# Altium PCB 2-quilter-output.pcbdoc (part 4 of 17)
Units mil, origin at the board's own origin, x right, y up, seen from the top; angles counter-clockwise.
Board outline 2728 x 2217 mil, 8 copper layers (L1_TOP, L2_GND, L3_INNER1, L4_GND, L5_PWR, L6_PWR, L7_GND, L8_BOT), stack 48.64 mil thick; 230 components, 327 nets, 1592 pads, 995 vias.
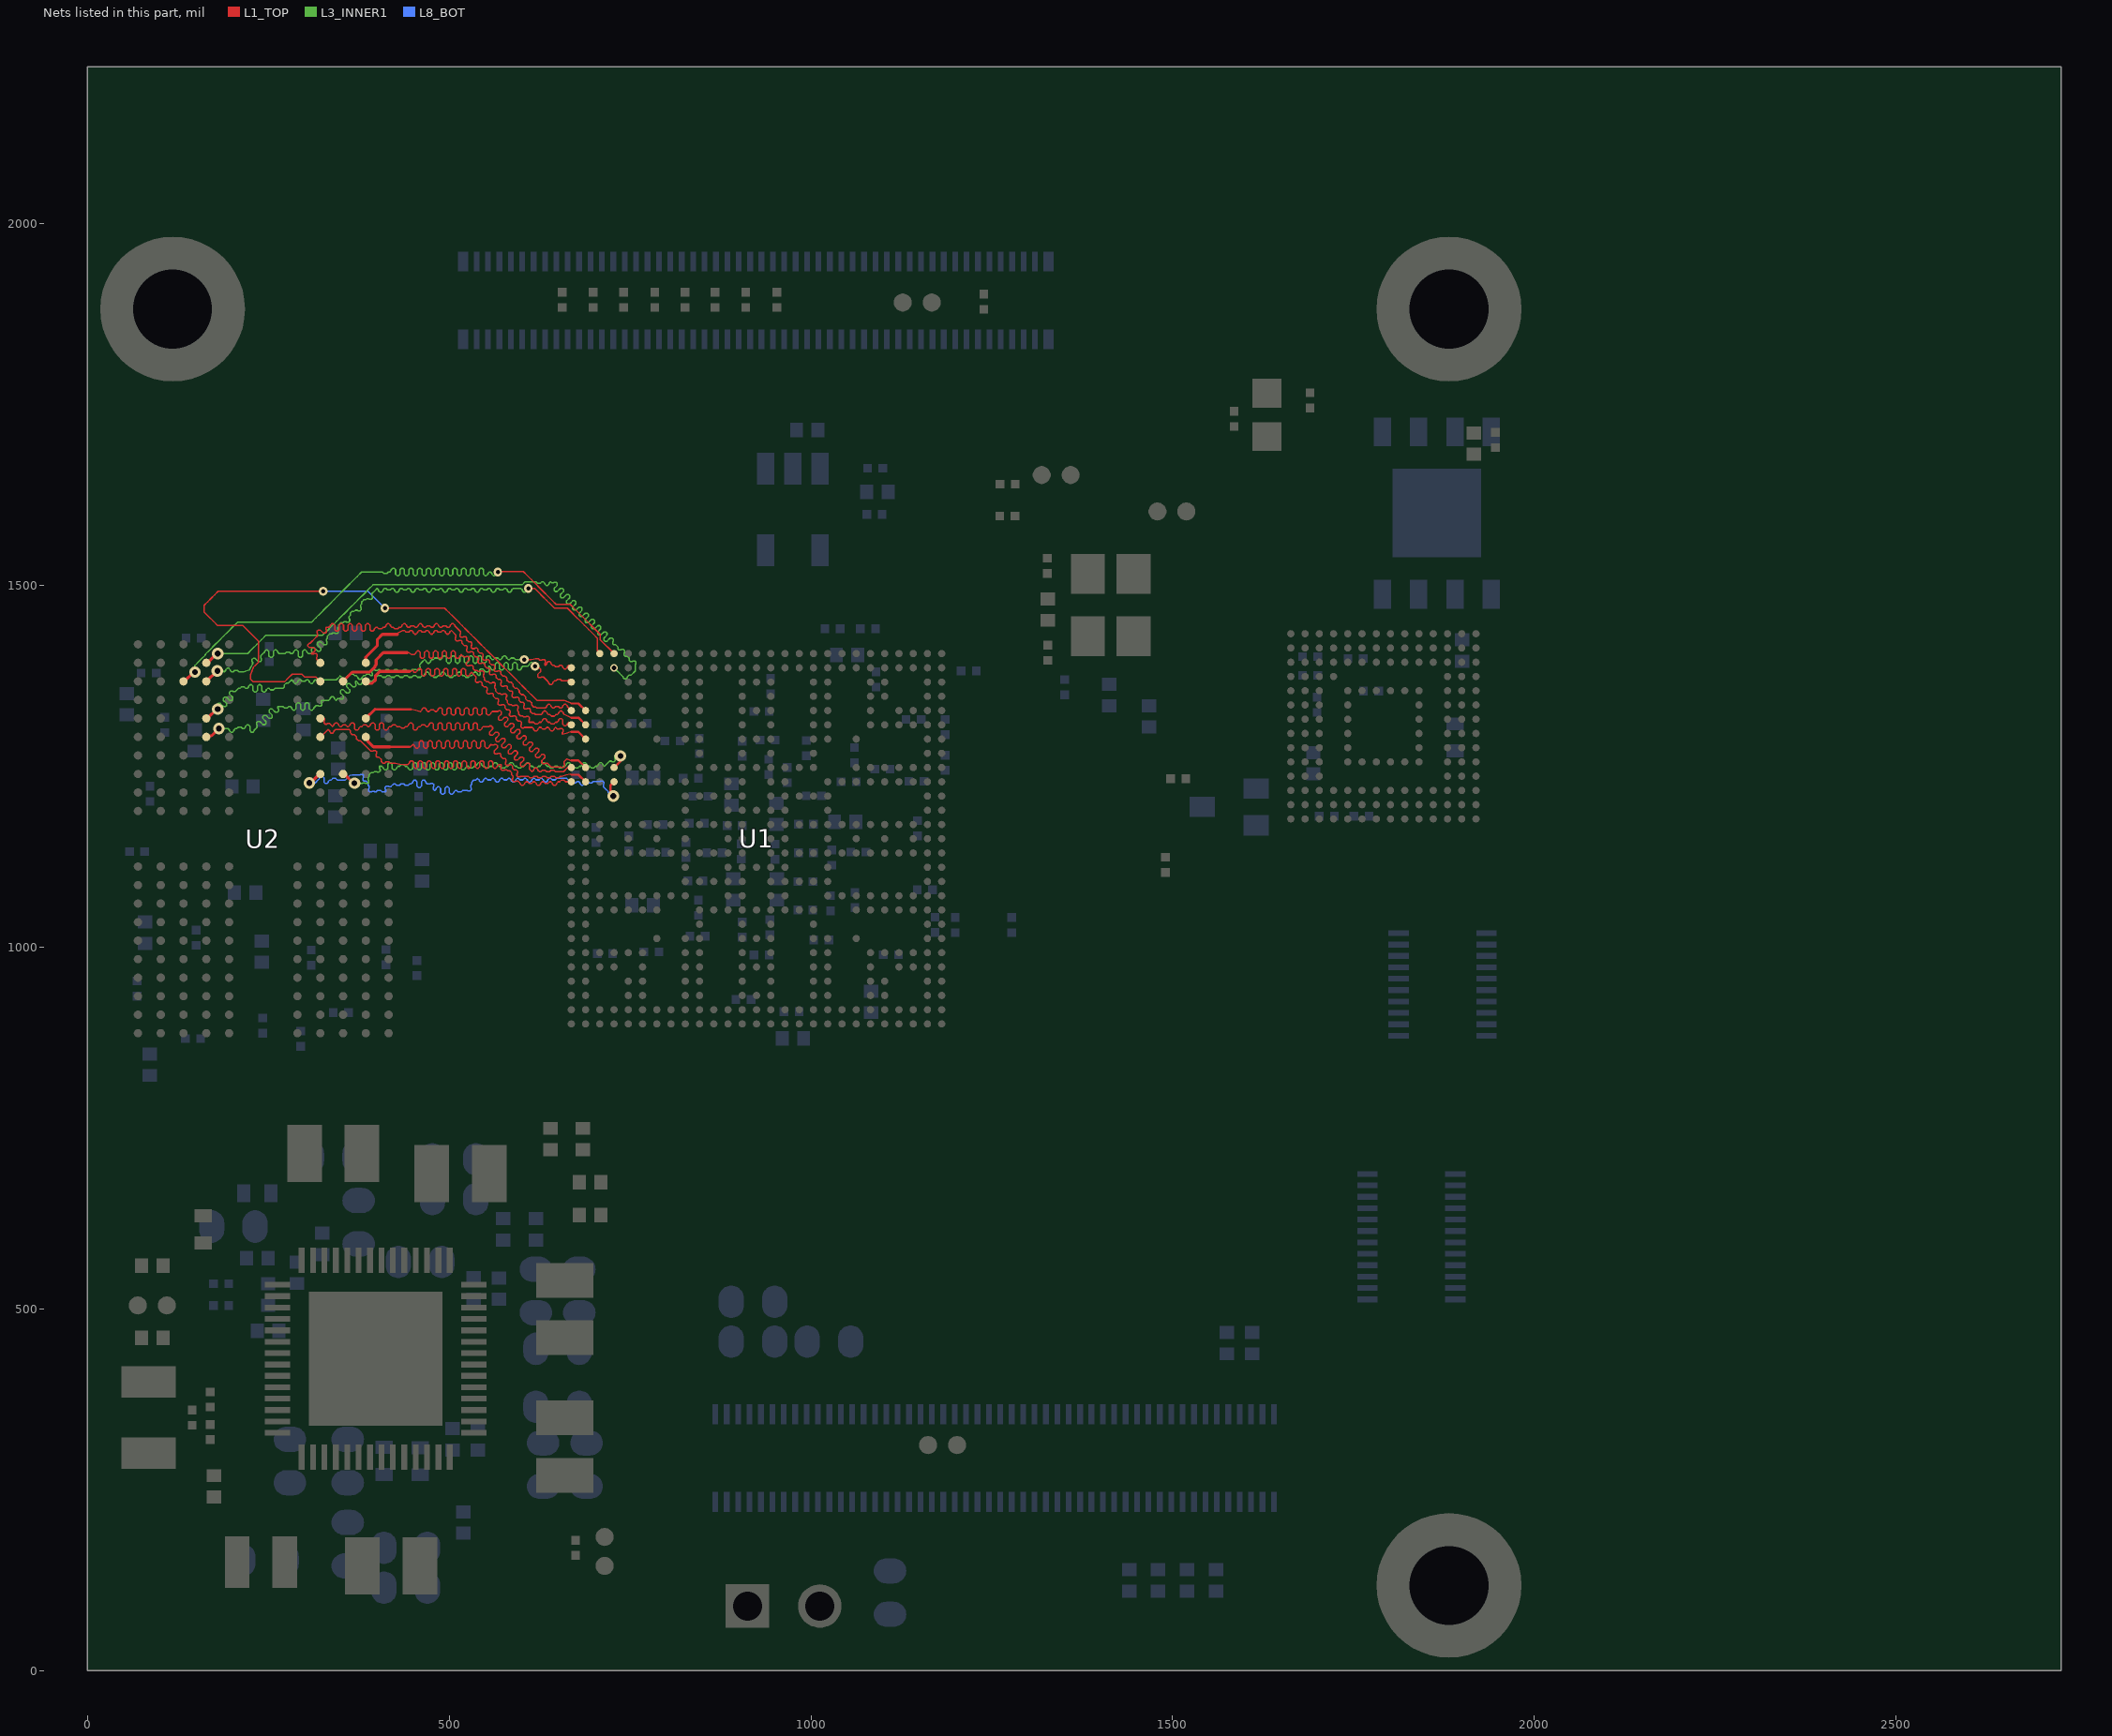
[diagram p10: the nets of this part, all layers, seen from the top]

## Via types
v1: diameter 12.01, hole 5.91, L1_TOP to L8_BOT, tented both sides, 409 vias
v2: diameter 16, hole 8, L1_TOP to L8_BOT, tented both sides, 329 vias
v3: diameter 10, hole 6, L1_TOP to L8_BOT, tented both sides, 205 vias
v4: diameter 16, hole 8, L1_TOP to L8_BOT, tented top, 52 vias

## Nets (pads, with @x,y where several pads share a name; then routed paths per layer and width w, separated by ;. In a path a pad name is that pad's centre, name@x,y a point inside that pad or via, vN(x,y) a via of type N, cw(c..) or ccw(c..) an arc to the next point about the centre after c; other vN are vias at no path point) (continued)
DRAMA_DATA4: U1.C1 U2.U9 | length 839.9
  L1_TOP w2: v1(618.91,1388.26) 618.91,1384.79 621.79,1384.79 622.5,1385.5 625.38,1385.5 626.8,1384.09 626.8,1381.2 622.5,1376.91 622.5,1374.03 623.92,1372.61 626.8,1372.61 627.5,1373.32 630.39,1373.32 635.61,1368.1 637.64,1366.06 637.64,1365.06 639.68,1363.03 641.68,1363.03 643.72,1365.06 643.72,1366.06 645.75,1368.1 647.76,1368.1 649.79,1370.14 653.8,1370.14 655.83,1368.1 657.84,1368.1 663.51,1368.1 665.41,1370 U1.C1@668.98,1366.44
  L1_TOP w4.1: U2.U9@164.59,1290.65 166.01,1292.07 171.8,1292.07 v4(181.93,1302.2)
  L3_INNER1 w2: v4(181.93,1302.2) 190,1302.2 194.58,1302.2 196.62,1300.17 196.62,1299.17 198.66,1297.13 200.66,1297.13 202.69,1299.17 202.69,1300.17 204.73,1302.2 206.73,1302.2 208.77,1304.24 212.77,1304.24 214.81,1302.2 216.81,1302.2 218.85,1304.24 218.85,1305.24 220.89,1307.28 222.89,1307.28 224.93,1305.24 224.93,1299.17 226.96,1297.13 228.96,1297.13 231,1299.17 231,1300.17 233.04,1302.2 234.9,1304.07 234.9,1306.95 234.2,1307.66 234.2,1310.54 235.61,1311.95 238.49,1311.95 242.79,1307.66 245.67,1307.66 247.08,1309.07 247.08,1311.95 242.79,1316.25 242.79,1319.13 244.2,1320.55 247.08,1320.55 251.38,1316.25 254.26,1316.25 255.68,1317.67 255.68,1320.55 251.38,1324.84 251.38,1327.72 252.79,1329.14 255.68,1329.14 259.97,1324.84 262.85,1324.84 264.27,1326.26 264.27,1329.14 263.56,1329.85 263.56,1332.73 268.52,1332.73 270.52,1332.73 272.56,1330.69 276.56,1330.69 278.6,1332.73 280.6,1332.73 282.64,1330.69 282.64,1329.69 284.67,1327.65 286.68,1327.65 288.71,1329.69 288.71,1335.76 290.75,1337.8 292.75,1337.8 294.79,1335.76 294.79,1329.69 296.82,1327.65 298.83,1327.65 300.86,1329.69 300.86,1335.76 302.9,1337.8 304.9,1337.8 306.94,1335.76 306.94,1329.69 308.98,1327.65 310.98,1327.65 313.01,1329.69 313.01,1330.69 315.05,1332.73 316.25,1333.93 319.13,1333.93 319.84,1333.22 322.72,1333.22 324.14,1334.64 324.14,1337.52 323.43,1338.23 323.43,1341.11 328.55,1341.11 333.68,1341.11 335.71,1343.14 335.71,1344.14 337.75,1346.18 339.75,1346.18 341.79,1344.14 341.79,1343.14 343.82,1341.11 346.24,1343.52 349.12,1343.52 349.83,1342.81 352.71,1342.81 354.12,1344.23 354.12,1347.11 349.83,1351.41 349.83,1354.29 351.24,1355.7 354.12,1355.7 358.42,1351.41 361.3,1351.41 362.72,1352.82 362.72,1355.7 358.42,1360 358.42,1362.88 359.84,1364.29 362.72,1364.29 367.01,1360 369.89,1360 371.31,1361.41 371.31,1364.29 370.6,1365 370.6,1367.88 371.74,1367.88 373.78,1365.85 373.78,1364.84 375.82,1362.81 377.82,1362.81 379.85,1364.84 379.85,1365.85 381.89,1367.88 383.89,1367.88 385.93,1365.85 389.93,1365.85 391.97,1367.88 393.97,1367.88 397.6,1371.5 401.22,1375.13 404.09,1375.13 406.09,1375.13 408.13,1373.09 412.14,1373.09 414.17,1375.13 416.17,1375.13 418.18,1375.13 420.21,1373.09 424.22,1373.09 426.25,1375.13 428.26,1375.13 430.26,1375.13 432.29,1373.09 436.3,1373.09 438.34,1375.13 440.34,1375.13 442.34,1375.13 444.38,1373.09 448.38,1373.09 450.42,1375.13 452.42,1375.13 454.42,1375.13 456.46,1373.09 460.46,1373.09 462.5,1375.13 464.5,1375.13 466.54,1377.16 466.54,1378.16 468.57,1380.2 470.58,1380.2 472.61,1378.16 472.61,1377.16 474.65,1375.13 476.65,1375.13 478.69,1373.09 482.69,1373.09 484.73,1375.13 486.73,1375.13 488.77,1377.16 488.77,1378.16 490.8,1380.2 492.81,1380.2 494.84,1378.16 494.84,1377.16 496.88,1375.13 498.88,1375.13 500.92,1373.09 504.92,1373.09 506.96,1375.13 508.96,1375.13 511,1377.16 511,1378.16 513.04,1380.2 515.04,1380.2 517.07,1378.16 517.07,1377.16 519.11,1375.13 521.11,1375.13 523.15,1373.09 527.15,1373.09 529.19,1375.13 531.19,1375.13 533.23,1377.16 533.23,1378.16 535.27,1380.2 537.27,1380.2 539.3,1378.16 539.3,1377.16 541.34,1375.13 543,1376.79 543,1379.67 542.29,1380.38 542.29,1383.26 543.71,1384.67 546.59,1384.67 550.89,1380.38 553.77,1380.38 555.18,1381.79 555.18,1384.67 554.47,1385.38 554.47,1388.26 555.53,1388.26 557.57,1386.22 557.57,1385.22 559.6,1383.19 561.61,1383.19 563.64,1385.22 563.64,1391.3 565.68,1393.33 567.68,1393.33 569.72,1391.3 569.72,1385.22 571.75,1383.19 573.76,1383.19 575.79,1385.22 575.79,1391.3 577.83,1393.33 579.83,1393.33 581.87,1391.3 581.87,1385.22 583.91,1383.19 585.91,1383.19 587.94,1385.22 587.94,1391.3 589.98,1393.33 591.98,1393.33 594.02,1391.3 594.02,1385.22 596.06,1383.19 598.06,1383.19 600.1,1385.22 600.1,1386.22 602.13,1388.26 608.17,1388.26 608.76,1388.26 610.8,1390.3 610.8,1391.3 612.84,1393.33 614.84,1393.33 616.88,1391.3 616.88,1390.3 v1(618.91,1388.26)
DRAMA_DATA5: U1.B1 U2.V9 | length 776.3
  L1_TOP w2: v1(603.96,1397.59) 608.59,1397.59 613.22,1397.59 613.59,1397.22 619.84,1398.91 623.21,1398.91 625.28,1396.84 628.16,1396.84 628.87,1397.55 631.75,1397.55 633.16,1396.13 633.16,1393.25 632.45,1392.55 632.45,1389.67 633.03,1389.67 635.07,1391.7 635.07,1392.7 637.11,1394.74 639.11,1394.74 641.15,1392.7 641.15,1391.7 643.18,1389.67 645.18,1389.67 647.22,1387.63 651.23,1387.63 653.26,1389.67 655.26,1389.67 657.3,1387.63 657.3,1386.63 659.34,1384.59 661.34,1384.59 663.38,1386.63 663.38,1387.63 665.41,1389.67 U1.B1@668.98,1386.12
  L1_TOP w4.1: U2.V9@164.59,1316.24 166.08,1316.24 178.84,1329 v2(180.33,1329)
  L3_INNER1 w2: v2(180.33,1329) 180.33,1331.88 179.63,1332.58 179.63,1335.46 181.04,1336.88 183.92,1336.88 188.22,1332.58 191.1,1332.58 192.52,1334 192.52,1336.88 188.22,1341.18 188.22,1344.06 189.63,1345.47 192.52,1345.47 196.81,1341.18 199.69,1341.18 201.11,1342.59 201.11,1345.47 196.81,1349.77 196.81,1352.65 198.23,1354.06 201.11,1354.06 201.81,1353.36 204.7,1353.36 208.97,1357.63 210.97,1357.63 213.01,1359.67 217.01,1359.67 219.05,1357.63 221.05,1357.63 223.09,1359.67 223.09,1360.67 225.12,1362.7 227.13,1362.7 229.16,1360.67 229.16,1354.59 231.2,1352.56 233.2,1352.56 235.24,1354.59 235.24,1360.67 237.27,1362.7 239.28,1362.7 241.31,1360.67 241.31,1354.59 243.35,1352.56 245.35,1352.56 247.39,1354.59 247.39,1355.59 249.43,1357.63 251.43,1357.63 253.46,1355.59 257.47,1355.59 259.51,1357.63 261.51,1357.63 266.11,1357.63 270.7,1357.63 272.12,1359.05 272.12,1361.93 274.95,1364.76 277.83,1364.76 279.25,1366.17 282.72,1369.64 284.75,1367.61 284.75,1366.6 286.79,1364.57 288.79,1364.57 290.83,1366.6 290.83,1367.61 292.86,1369.64 294.87,1369.64 296.9,1367.61 300.91,1367.61 302.94,1369.64 304.95,1369.64 306.98,1367.61 306.98,1366.6 309.02,1364.57 311.02,1364.57 313.06,1366.6 313.06,1367.61 315.1,1369.64 317.1,1369.64 319.13,1367.61 323.14,1367.61 325.17,1369.64 327.18,1369.64 333.22,1369.64 338.65,1369.64 344.08,1369.64 349.61,1375.18 351.65,1373.14 351.65,1372.14 353.68,1370.1 355.68,1370.1 357.72,1372.14 357.72,1373.14 359.76,1375.18 361.76,1375.18 363.8,1377.21 367.8,1377.21 369.84,1375.18 371.84,1375.18 373.88,1373.14 373.88,1372.14 375.91,1370.1 377.91,1370.1 379.95,1372.14 379.95,1373.14 381.99,1375.18 383.99,1375.18 386.03,1377.21 390.03,1377.21 392.07,1375.18 394.11,1375.18 394.11,1378.06 393.4,1378.76 393.4,1381.64 394.82,1383.06 397.7,1383.06 398.41,1382.35 401.29,1382.35 402.51,1383.57 404.51,1383.57 406.54,1381.54 410.55,1381.54 412.59,1383.57 414.59,1383.57 416.59,1383.57 418.63,1381.54 422.63,1381.54 424.67,1383.57 426.67,1383.57 428.67,1383.57 430.71,1381.54 434.71,1381.54 436.75,1383.57 438.75,1383.57 440.75,1383.57 442.79,1381.54 446.79,1381.54 448.83,1383.57 450.83,1383.57 452.29,1383.57 455.17,1383.57 455.87,1382.86 458.76,1382.86 460.17,1384.28 460.17,1387.16 459.46,1387.87 459.46,1390.75 462.88,1394.17 466.3,1397.59 468.34,1395.55 468.34,1394.55 470.38,1392.51 472.38,1392.51 474.42,1394.55 474.42,1395.55 476.45,1397.59 478.45,1397.59 480.49,1399.63 484.5,1399.63 486.53,1397.59 488.53,1397.59 490.57,1399.63 490.57,1400.63 492.61,1402.66 494.61,1402.66 496.65,1400.63 496.65,1394.55 498.68,1392.51 500.69,1392.51 502.72,1394.55 502.72,1400.63 504.76,1402.66 506.76,1402.66 508.8,1400.63 508.8,1394.55 510.83,1392.51 512.84,1392.51 514.87,1394.55 514.87,1400.63 516.91,1402.66 518.91,1402.66 520.95,1400.63 520.95,1394.55 522.99,1392.51 524.99,1392.51 527.02,1394.55 527.02,1400.63 529.06,1402.66 531.06,1402.66 533.1,1400.63 533.1,1394.55 535.14,1392.51 537.14,1392.51 539.18,1394.55 539.18,1400.63 541.21,1402.66 543.21,1402.66 545.25,1400.63 545.25,1394.55 547.29,1392.51 549.29,1392.51 551.33,1394.55 551.33,1400.63 553.36,1402.66 555.37,1402.66 557.4,1400.63 557.4,1399.63 559.44,1397.59 561.44,1397.59 563.48,1399.63 567.48,1399.63 569.52,1397.59 571.52,1397.59 573.56,1399.63 573.56,1400.63 575.59,1402.66 577.6,1402.66 579.63,1400.63 579.63,1399.63 581.67,1397.59 583.67,1397.59 585.71,1399.63 589.71,1399.63 591.75,1397.59 593.75,1397.59 594.78,1397.59 599.37,1397.59 v1(603.96,1397.59)
DRAMA_DATA6: U1.A3 U2.Y9 | length 834.5
  L1_TOP w2: v1(609.55,1495.78) 618.47,1495.78 623.91,1490.34 629.34,1484.91 634.78,1479.47 640.22,1474.04 645.65,1468.6 654.58,1468.6 663.5,1468.6 669.4,1462.7 675.29,1456.8 681.19,1450.91 687.09,1445.01 692.99,1439.11 698.89,1433.21 704.78,1427.31 704.78,1418.34 704.78,1409.37 U1.A3@708.35,1405.81
  L1_TOP w4.1: U2.Y9@164.59,1367.42 165,1367.42 179.48,1381.9 v4(179.89,1381.9)
  L3_INNER1 w2: v4(179.89,1381.9) 187.95,1381.91 189.47,1380.39 191.51,1382.43 191.51,1383.43 193.54,1385.47 195.55,1385.47 197.58,1383.43 197.58,1382.43 199.62,1380.39 201.62,1380.39 203.66,1382.43 207.66,1382.43 209.7,1380.39 211.7,1380.39 216.51,1380.39 223.73,1383 226.17,1387.14 228.6,1391.28 228.6,1394.16 227.9,1394.87 227.9,1397.75 229.31,1399.17 232.19,1399.17 236.49,1394.87 239.37,1394.87 240.78,1396.29 240.78,1399.17 240.08,1399.88 240.08,1402.76 242.98,1405.65 245.01,1407.69 245.01,1408.69 247.05,1410.73 249.05,1410.73 251.09,1408.69 251.09,1402.62 253.12,1400.58 255.13,1400.58 257.16,1402.62 257.16,1408.69 259.2,1410.73 261.2,1410.73 263.24,1408.69 263.24,1407.69 265.28,1405.65 271.32,1405.65 273.32,1405.65 275.36,1407.69 279.36,1407.69 281.4,1405.65 283.4,1405.65 285.44,1407.69 285.44,1408.69 287.47,1410.73 289.47,1410.73 291.51,1408.69 291.51,1402.62 293.55,1400.58 295.55,1400.58 297.59,1402.62 297.59,1408.69 299.62,1410.73 301.62,1410.73 303.66,1408.69 303.66,1407.69 305.7,1405.65 310.47,1405.65 310.47,1408.53 309.76,1409.24 309.76,1412.12 311.18,1413.54 314.06,1413.54 318.36,1409.24 321.24,1409.24 322.65,1410.66 322.65,1413.54 318.36,1417.83 318.36,1420.72 319.77,1422.13 322.65,1422.13 326.95,1417.83 329.83,1417.83 331.25,1419.25 331.25,1422.13 330.54,1422.84 330.54,1425.72 331.95,1427.13 331.95,1430.02 334.78,1432.85 337.66,1432.85 339.08,1434.26 341.96,1434.26 342.67,1433.55 345.55,1433.55 346.96,1434.97 346.96,1437.85 346.26,1438.56 346.26,1441.44 347.67,1442.85 347.67,1445.73 350.5,1448.57 353.38,1448.57 354.8,1449.98 357.68,1449.98 358.39,1449.27 361.27,1449.27 362.68,1450.69 362.68,1453.57 361.98,1454.28 361.98,1457.16 363.39,1458.57 363.39,1461.45 366.22,1464.29 369.1,1464.29 370.52,1465.7 373.4,1465.7 374.11,1464.99 376.99,1464.99 378.4,1466.41 378.4,1469.29 377.7,1470 377.7,1472.88 379.11,1474.29 379.11,1477.17 381.94,1480 384.82,1480 386.24,1481.42 389.12,1481.42 389.83,1480.71 392.71,1480.71 394.12,1482.13 394.12,1485.01 393.42,1485.72 393.42,1488.6 397.01,1492.19 400.6,1495.78 402.63,1493.74 402.63,1492.74 404.67,1490.71 406.67,1490.71 408.71,1492.74 408.71,1493.74 410.75,1495.78 412.75,1495.78 414.79,1493.74 418.79,1493.74 420.83,1495.78 422.83,1495.78 424.87,1493.74 424.87,1492.74 426.9,1490.71 428.9,1490.71 430.94,1492.74 430.94,1493.74 432.98,1495.78 434.98,1495.78 437.02,1493.74 441.02,1493.74 443.06,1495.78 445.06,1495.78 447.1,1493.74 447.1,1492.74 449.13,1490.71 451.14,1490.71 453.17,1492.74 453.17,1493.74 455.21,1495.78 457.21,1495.78 459.25,1493.74 463.25,1493.74 465.29,1495.78 467.29,1495.78 469.33,1493.74 469.33,1492.74 471.36,1490.71 473.37,1490.71 475.4,1492.74 475.4,1493.74 477.44,1495.78 479.44,1495.78 481.48,1493.74 485.48,1493.74 487.52,1495.78 489.52,1495.78 491.56,1493.74 491.56,1492.74 493.59,1490.71 495.6,1490.71 497.63,1492.74 497.63,1493.74 499.67,1495.78 501.67,1495.78 503.71,1493.74 507.71,1493.74 509.75,1495.78 511.75,1495.78 513.79,1493.74 513.79,1492.74 515.83,1490.71 517.83,1490.71 519.86,1492.74 519.86,1493.74 521.9,1495.78 523.9,1495.78 525.94,1493.74 529.94,1493.74 531.98,1495.78 533.98,1495.78 536.02,1493.74 536.02,1492.74 538.06,1490.71 540.06,1490.71 542.09,1492.74 542.09,1493.74 544.13,1495.78 546.13,1495.78 548.17,1493.74 552.17,1493.74 554.21,1495.78 556.21,1495.78 558.25,1493.74 558.25,1492.74 560.29,1490.71 562.29,1490.71 564.33,1492.74 564.33,1493.74 566.36,1495.78 568.36,1495.78 570.4,1493.74 574.4,1493.74 576.44,1495.78 578.44,1495.78 580.48,1493.74 580.48,1492.74 582.52,1490.71 584.52,1490.71 586.56,1492.74 586.56,1493.74 588.59,1495.78 593.9,1495.78 599.21,1495.78 601.24,1493.74 601.24,1492.74 603.28,1490.71 605.28,1490.71 607.32,1492.74 607.32,1493.74 609.36,1495.78 v1(609.55,1495.78)
DRAMA_DATA7: U1.B4 U2.AA9 | length 901.8
  L1_TOP w4.1: U2.AA9@164.59,1393.01 166.06,1393.01 178.86,1405.81 v4(180.33,1405.81)
  L3_INNER1 w2: v4(180.33,1405.81) 188.39,1405.81 196.71,1405.81 205.04,1405.81 213.37,1405.81 221.7,1405.81 228.06,1412.17 234.43,1418.54 240.8,1424.91 247.16,1431.27 255.87,1431.27 264.57,1431.27 273.28,1431.27 281.98,1431.27 290.69,1431.27 299.39,1431.27 308.09,1431.27 316.8,1431.27 325.5,1431.27 331.82,1437.6 338.14,1443.92 344.46,1450.24 350.79,1456.56 357.11,1462.88 363.43,1469.2 369.75,1475.52 376.07,1481.84 382.39,1488.16 388.71,1494.49 395.03,1500.81 403.99,1500.81 412.94,1500.81 421.89,1500.81 430.84,1500.81 439.79,1500.81 448.75,1500.81 457.7,1500.81 466.65,1500.81 475.6,1500.81 484.56,1500.81 493.51,1500.81 502.46,1500.81 511.41,1500.81 520.36,1500.81 529.32,1500.81 538.27,1500.81 547.22,1500.81 556.17,1500.81 565.12,1500.81 574.08,1500.81 583.03,1500.81 591.98,1500.81 600.93,1500.81 605.19,1505.06 611.65,1505.06 618.1,1505.06 620.1,1505.06 622.14,1503.03 626.14,1503.03 628.18,1505.06 630.18,1505.06 632.22,1503.03 632.22,1502.02 634.26,1499.99 636.26,1499.99 638.3,1502.02 638.3,1503.03 640.33,1505.06 641.61,1503.78 644.49,1503.78 645.2,1504.49 648.08,1504.49 649.5,1503.07 649.5,1500.19 645.2,1495.9 645.2,1493.02 646.62,1491.6 649.5,1491.6 653.79,1495.9 656.68,1495.9 658.09,1494.48 658.09,1491.6 653.79,1487.3 653.79,1484.42 655.21,1483.01 658.09,1483.01 662.39,1487.3 665.27,1487.3 666.68,1485.89 666.68,1483.01 662.39,1478.71 662.39,1475.83 663.8,1474.42 666.68,1474.42 670.98,1478.71 673.86,1478.71 675.27,1477.3 675.27,1474.42 670.98,1470.12 670.98,1467.24 672.39,1465.82 675.27,1465.82 679.57,1470.12 682.45,1470.12 683.87,1468.7 683.87,1465.82 679.57,1461.53 679.57,1458.65 680.99,1457.23 683.87,1457.23 688.16,1461.53 691.04,1461.53 692.46,1460.11 692.46,1457.23 688.16,1452.94 688.16,1450.06 689.58,1448.64 692.46,1448.64 696.76,1452.94 699.64,1452.94 701.05,1451.52 701.05,1448.64 696.76,1444.34 696.76,1441.46 698.17,1440.05 701.05,1440.05 705.35,1444.34 708.23,1444.34 709.64,1442.93 709.64,1440.05 705.35,1435.75 705.35,1432.87 706.76,1431.46 709.64,1431.46 713.94,1435.75 716.82,1435.75 718.24,1434.34 718.24,1431.46 713.94,1427.16 713.94,1424.28 715.36,1422.86 718.24,1422.86 722.53,1427.16 725.41,1427.16 726.83,1425.74 726.83,1422.86 726.12,1422.16 726.12,1419.27 727.54,1417.86 730.42,1417.86 733.25,1415.03 733.25,1412.15 734.66,1410.73 737.54,1410.73 738.25,1411.44 741.13,1411.44 742.55,1410.02 742.55,1407.14 741.84,1406.44 741.84,1403.56 743.26,1402.14 746.14,1402.14 748.97,1399.31 748.97,1396.43 750.38,1395.01 753.26,1395.01 753.97,1395.72 756.85,1395.72 758.27,1394.3 758.27,1391.42 757.56,1390.72 757.56,1387.84 757.56,1381.95 751.41,1375.8 748.52,1375.8 746.49,1373.76 746.49,1372.76 744.45,1370.72 742.45,1370.72 740.41,1372.76 740.41,1373.76 738.38,1375.8 734.98,1379.19 731.59,1382.58 v3(728.04,1386.12)
DRAMA_DATA8: U1.F2 U2.AA2 | length 463.9
  L1_TOP w2: 429.53,1434.45 436.14,1437.74 438.41,1437.74 440.45,1435.7 444.45,1435.7 446.49,1437.74 448.49,1437.74 450.53,1435.7 450.53,1434.7 452.56,1432.67 454.56,1432.67 456.6,1434.7 456.6,1435.7 458.64,1437.74 460.64,1437.74 462.68,1435.7 466.68,1435.7 468.72,1437.74 470.72,1437.74 472.76,1435.7 472.76,1434.7 474.79,1432.67 476.8,1432.67 478.83,1434.7 478.83,1435.7 480.87,1437.74 482.87,1437.74 484.91,1435.7 488.91,1435.7 490.95,1437.74 492.95,1437.74 494.99,1435.7 494.99,1434.7 497.02,1432.67 499.03,1432.67 501.06,1434.7 501.06,1435.7 503.1,1437.74 509.43,1431.41 509.43,1428.53 508.73,1427.82 508.73,1424.94 510.14,1423.52 513.02,1423.52 513.73,1424.23 516.61,1424.23 518.02,1422.82 518.02,1419.93 520.86,1417.1 523.74,1417.1 525.15,1415.69 525.15,1412.81 524.44,1412.1 524.44,1409.22 525.86,1407.8 528.74,1407.8 529.45,1408.51 532.33,1408.51 533.74,1407.1 533.74,1404.22 536.58,1401.38 539.46,1401.38 540.87,1399.97 540.87,1397.09 540.16,1396.38 540.16,1393.5 541.58,1392.08 544.46,1392.08 545.17,1392.79 548.05,1392.79 549.46,1391.38 549.46,1388.5 552.3,1385.66 555.18,1385.66 556.59,1384.25 556.59,1381.37 555.88,1380.66 555.88,1377.78 557.3,1376.36 560.18,1376.36 560.89,1377.07 563.77,1377.07 565.18,1375.66 565.18,1372.78 568.01,1369.94 570.9,1369.94 572.31,1368.53 572.31,1365.65 571.6,1364.94 571.6,1362.06 573.02,1360.64 575.9,1360.64 576.61,1361.35 579.49,1361.35 580.9,1359.94 580.9,1357.06 583.73,1354.23 586.61,1354.23 588.03,1352.81 588.03,1349.93 587.32,1349.22 587.32,1346.34 588.74,1344.93 591.62,1344.93 592.33,1345.63 595.21,1345.63 596.62,1344.22 596.62,1341.34 599.45,1338.51 602.33,1338.51 603.75,1337.09 603.75,1334.21 603.04,1333.5 603.04,1330.62 604.46,1329.21 607.34,1329.21 608.05,1329.91 610.93,1329.91 612.34,1328.5 612.34,1325.62 615.17,1322.79 618.05,1322.79 619.47,1321.37 627.27,1321.37 629.3,1323.41 629.3,1324.41 631.34,1326.45 633.34,1326.45 635.38,1324.41 635.38,1323.41 637.42,1321.37 639.42,1321.37 641.45,1319.33 645.46,1319.33 647.5,1321.37 649.5,1321.37 651.53,1323.41 651.53,1324.41 653.57,1326.45 655.57,1326.45 657.61,1324.41 657.61,1323.41 659.65,1321.37 667.48,1317.98
  L1_TOP w3: 668.98,1317.22 678.83,1317.22 U1.F2@688.67,1307.38
  L1_TOP w4.1: U2.AA2@385.06,1393.01 385.06,1400.99 400.95,1416.88 400.95,1425.44 407.91,1432.4 428.49,1432.4
DRAMA_DATA9: U1.G2 U2.Y2 | length 497.2
  L1_TOP w2: 447.52,1381.22 450.26,1383.18 450.84,1379.96 454.01,1379.96 456.05,1382 456.05,1383 458.09,1385.04 460.09,1385.04 462.13,1383 462.13,1376.93 464.16,1374.89 466.17,1374.89 468.2,1376.93 468.2,1383 470.24,1385.04 472.24,1385.04 474.28,1383 474.28,1376.93 476.31,1374.89 478.32,1374.89 480.35,1376.93 480.35,1383 482.39,1385.04 484.39,1385.04 486.43,1383 486.43,1376.93 488.47,1374.89 490.47,1374.89 492.5,1376.93 492.5,1383 494.54,1385.04 496.54,1385.04 498.58,1383 498.58,1376.93 500.62,1374.89 502.62,1374.89 504.66,1376.93 504.66,1383 506.69,1385.04 508.69,1385.04 510.73,1383 510.73,1376.93 512.77,1374.89 514.77,1374.89 516.81,1376.93 516.81,1383 518.84,1385.04 520.85,1385.04 522.88,1383 522.88,1376.93 524.92,1374.89 526.92,1374.89 528.96,1376.93 528.96,1377.93 531,1379.96 537.08,1373.87 537.08,1370.99 536.38,1370.29 536.38,1367.41 537.79,1365.99 540.67,1365.99 541.38,1366.7 544.26,1366.7 545.68,1365.28 545.68,1362.4 548.51,1359.57 551.39,1359.57 552.8,1358.16 552.8,1355.27 552.1,1354.57 552.1,1351.69 553.51,1350.27 556.39,1350.27 557.1,1350.98 559.98,1350.98 561.4,1349.56 561.4,1346.68 564.23,1343.85 567.11,1343.85 568.52,1342.44 568.52,1339.56 567.82,1338.85 567.82,1335.97 569.23,1334.55 572.11,1334.55 572.82,1335.26 575.7,1335.26 577.12,1333.84 577.12,1330.96 579.95,1328.13 582.83,1328.13 584.24,1326.72 584.24,1323.84 583.53,1323.13 583.53,1320.25 584.95,1318.83 587.83,1318.83 588.54,1319.54 591.42,1319.54 592.83,1318.12 592.83,1315.24 595.67,1312.41 598.55,1312.41 599.96,1311 599.96,1308.12 599.25,1307.41 599.25,1304.53 600.67,1303.11 603.55,1303.11 604.26,1303.82 607.14,1303.82 614.84,1303.82 616.87,1301.78 616.87,1300.78 618.91,1298.75 620.91,1298.75 622.95,1300.78 622.95,1301.78 624.99,1303.82 626.99,1303.82 629.03,1301.78 633.03,1301.78 635.07,1303.82 637.07,1303.82 639.11,1301.78 639.11,1300.78 641.14,1298.75 643.14,1298.75 645.18,1300.78 645.18,1301.78 647.22,1303.82 649.56,1301.48 652.44,1301.48 653.15,1302.19 656.03,1302.19 657.44,1300.77 657.44,1297.89 656.74,1297.18 656.74,1294.3 662.11,1295.93 667.48,1297.56